# Altium PCB ascii of BOC1_06.PcbDoc (part 1 of 4)
Units mil, origin at the board's own origin, x right, y up, seen from the top; angles counter-clockwise.
Board outline 7900 x 6500 mil, 2 copper layers (Top Layer, Bottom Layer); 312 components, 413 nets, 1710 pads, 368 vias.
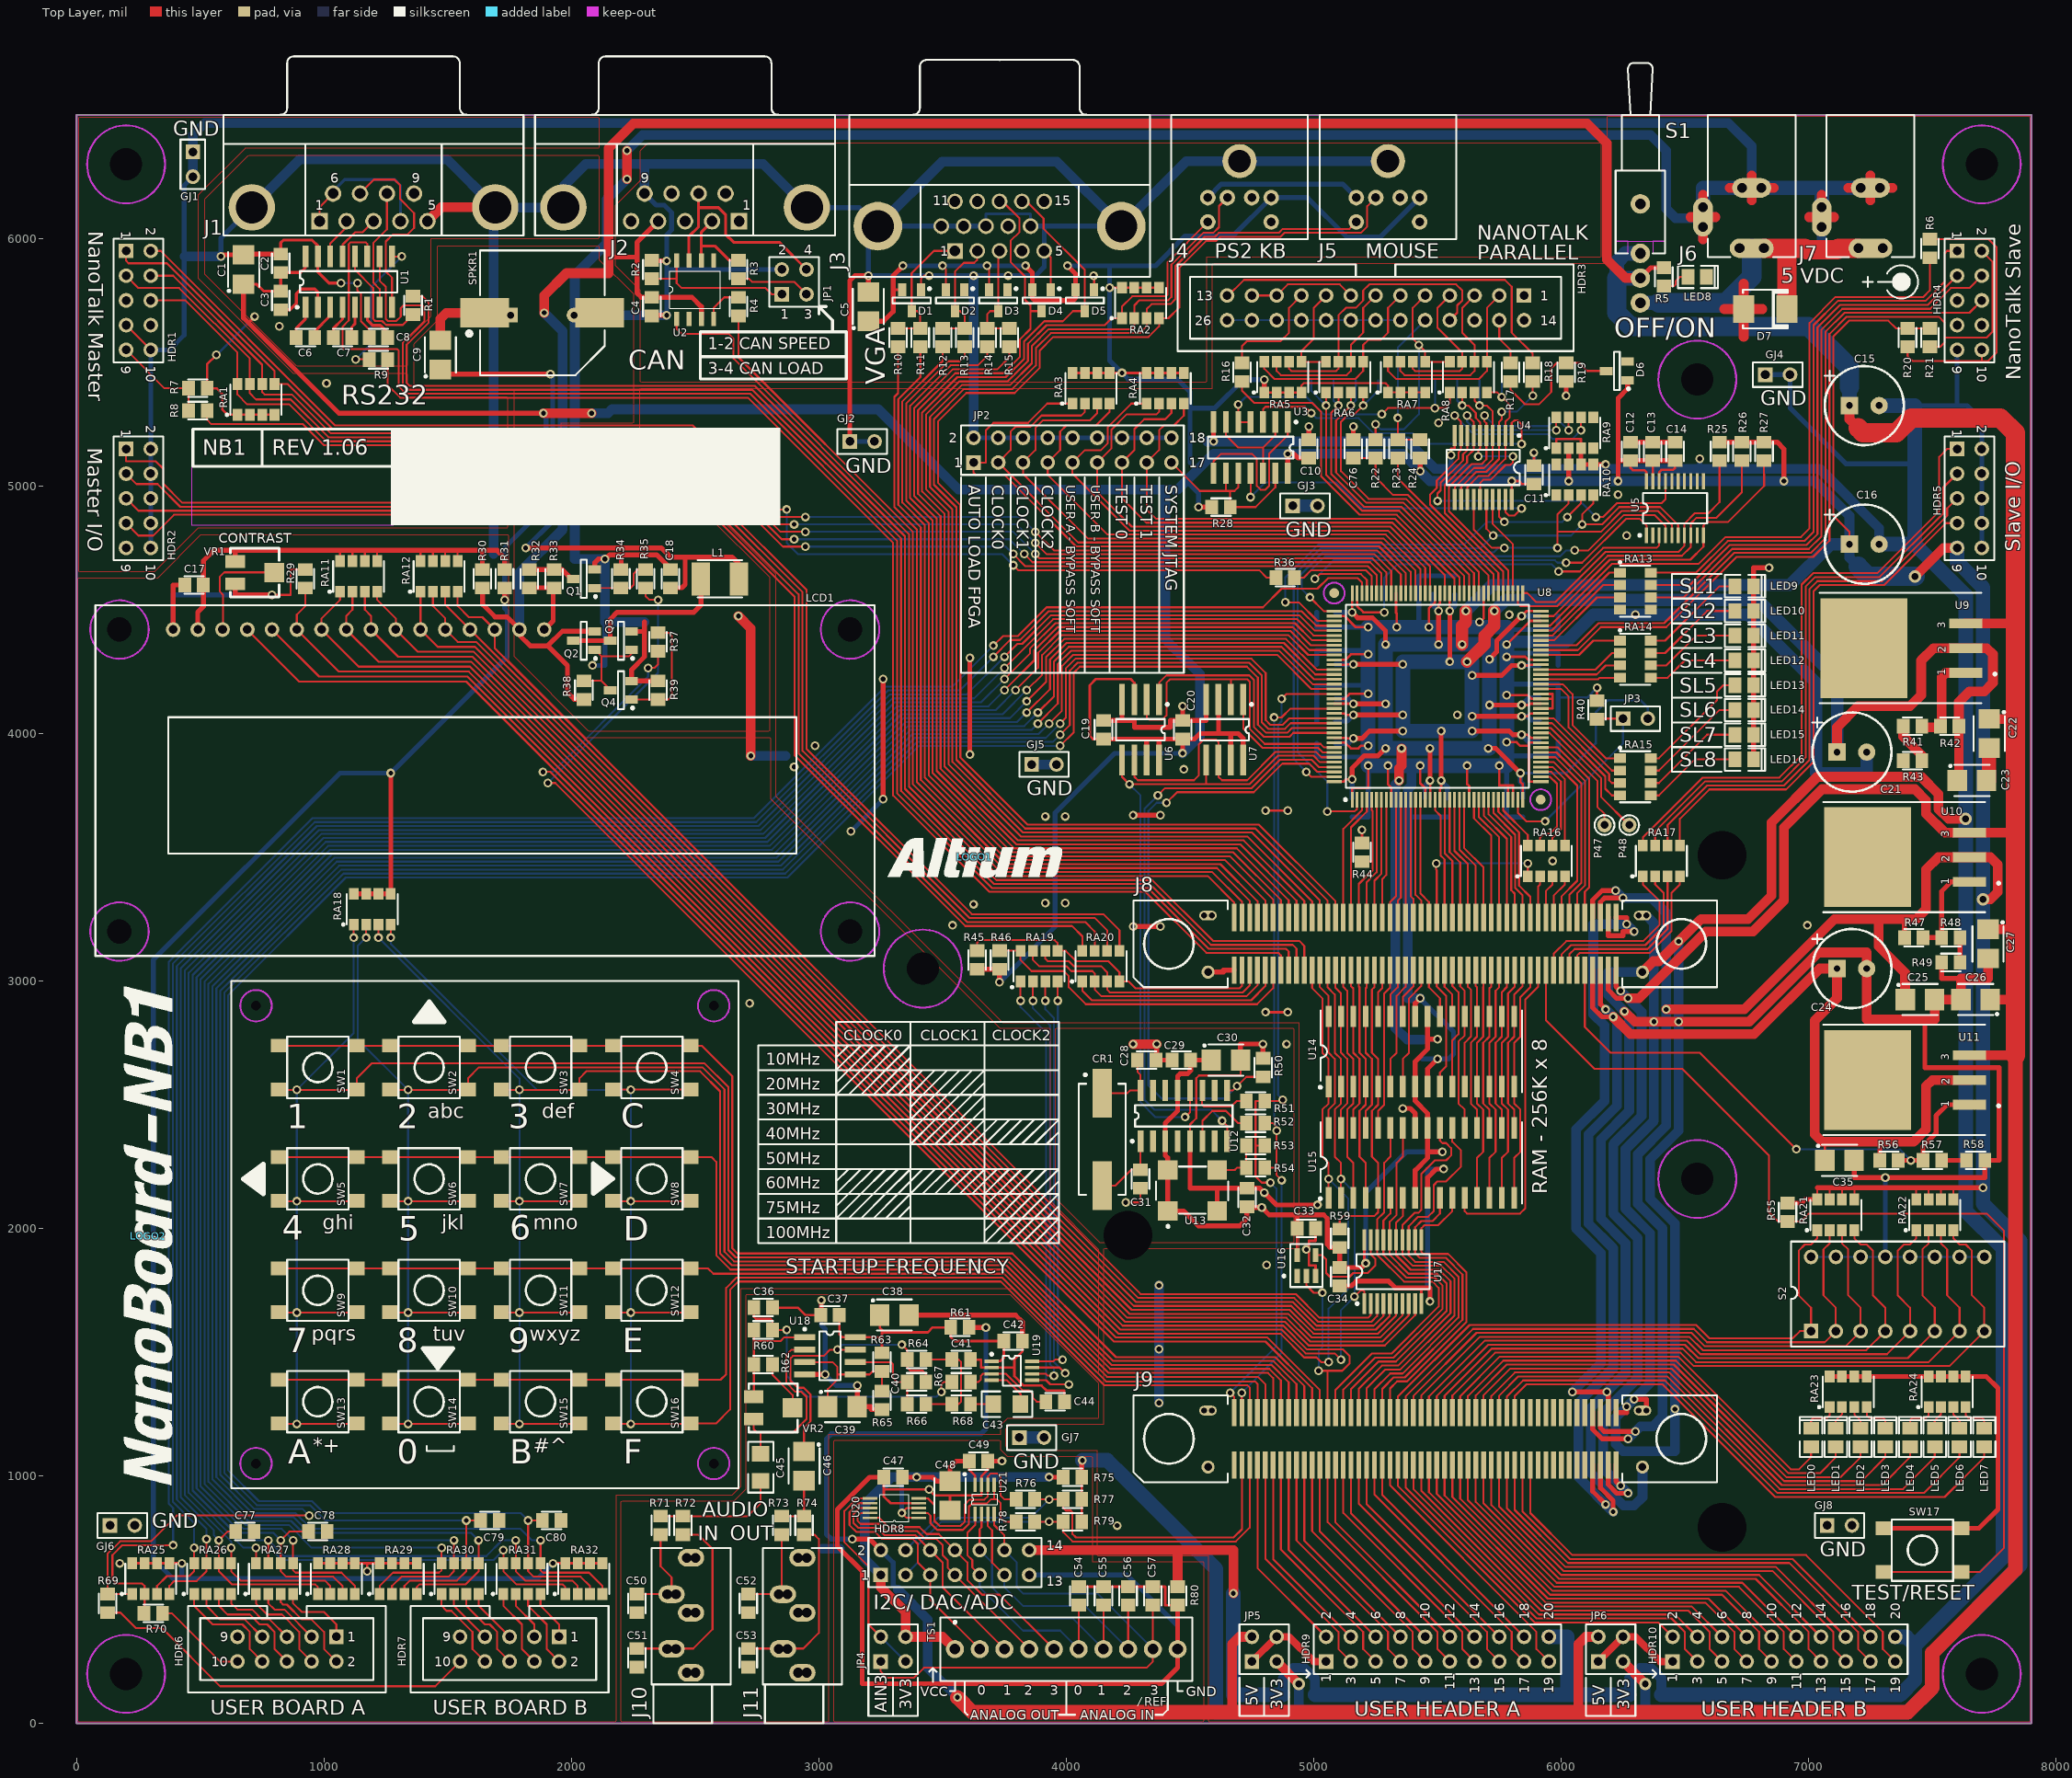
[diagram p0: Top Layer view]
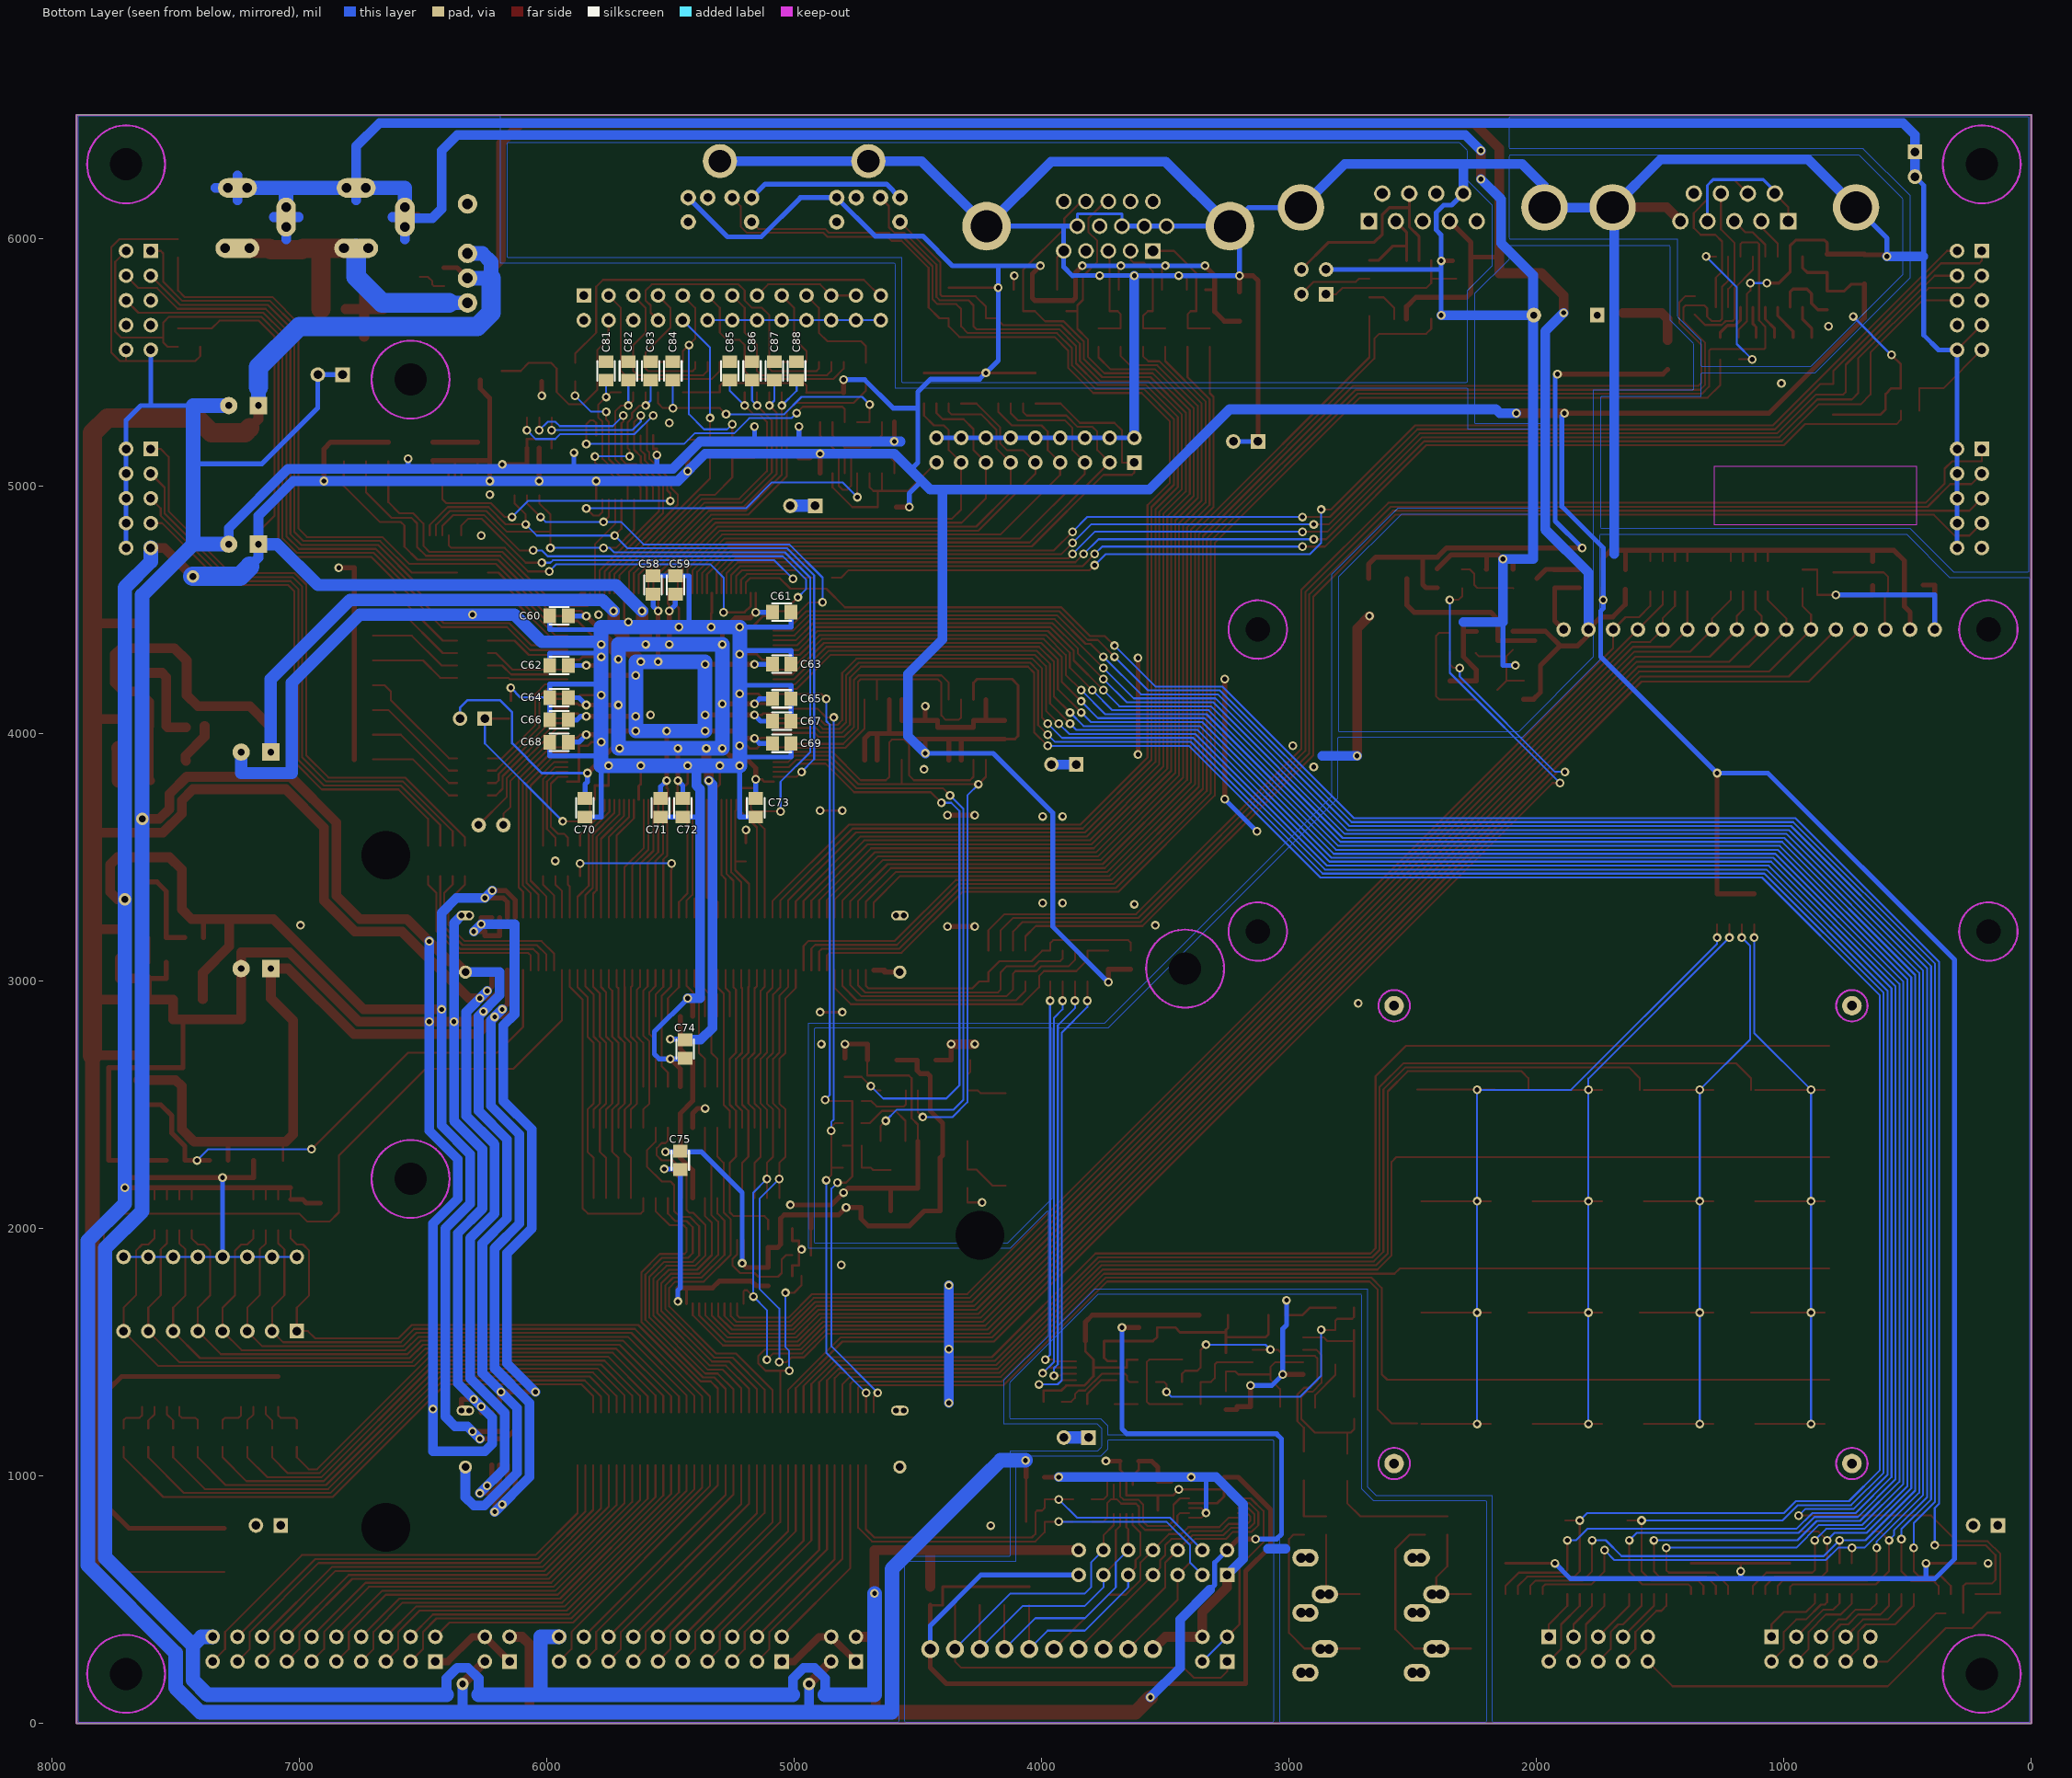
[diagram p1: Bottom Layer view, seen from below]

## Layer stack, top to bottom
Top Solder: solder mask 0.4, Solder Resist, Dk 3.5
Top Layer: signal copper 1.4
Dielectric1: core 12.6, FR-4, Dk 4.8
Bottom Layer: signal copper 1.4
Bottom Solder: solder mask 0.4, Solder Resist, Dk 3.5

## Board outline
0,0 7900,0 7900,6500 0,6500

## Design rules (kind name [scope] priority, off if disabled: settings)
AssemblyTestPointUsage [All] p0: scope1count=1 scope1_0_kind=Board scope1_0_value=Board scope2count=1 scope2_0_kind=Board scope2_0_value=Board commentlength=0
AssemblyTestpoint [All] p0: scope1count=1 scope1_0_kind=Board scope1_0_value=Board scope2count=1 scope2_0_kind=Board scope2_0_value=Board commentlength=0
Clearance [All] p0: scope1count=1 scope1_0_kind=Board scope1_0_value=Board scope2count=1 scope2_0_kind=Board scope2_0_value=Board commentlength=0 gap=7.87
Clearance [All] p1: gap=7.87 ignorepadtopadclearanceinfootprint=FALSE except(0: Arc-Hole Track-Hole SMDPad-Hole THPad-Hole Via-Hole Fill-Hole Poly-Hole Region-Hole Text-Hole)
ComponentClearance ComponentClearance_General [All] p0 off: scope1count=1 scope1_0_kind=Board scope1_0_value=Board scope2count=1 scope2_0_kind=Board scope2_0_value=Board commentlength=73 gap=7.87 collisioncheckmode=3 // Protel DXP Scope 2 Expression Was: Not InComponentClass('Under_LCD1')
ComponentClearance ComponentClearance_Default [All] p0 off: scope1count=1 scope1_0_kind=Board scope1_0_value=Board scope2count=1 scope2_0_kind=Board scope2_0_value=Board commentlength=0 gap=7.87 collisioncheckmode=3
ComponentClearance LEDComponentClearance [All] p0: scope1count=1 scope1_0_kind=Footprint scope1_0_value="SMD _LED" scope2count=1 scope2_0_kind=Footprint scope2_0_value="SMD _LED" commentlength=0 gap=1.18 collisioncheckmode=3
ComponentClearance LEDComponentClearance [HasFootprint('SMD _LED') vs HasFootprint('SMD _LED')] p1: gap=1.18 collisioncheckmode=3 verticalgap=10 showdistances=FALSE
ComponentClearance ComponentClearance_General [Not InComponent('LCD1') vs Not InComponentClass('Under_LCD1')] p2: gap=7.87 collisioncheckmode=3 verticalgap=10 showdistances=FALSE
ComponentClearance ComponentClearance_Default [All] p3 off: gap=7.87 collisioncheckmode=3 verticalgap=10 showdistances=FALSE
DiffPairsRouting [All] p0: scope1count=1 scope1_0_kind=Board scope1_0_value=Board scope2count=1 scope2_0_kind=Board scope2_0_value=Board commentlength=0
FabricationTestPointUsage TestPointUsage [All] p0 off: scope1count=1 scope1_0_kind=Board scope1_0_value=Board scope2count=1 scope2_0_kind=Board scope2_0_value=Board commentlength=0 valid=0 allowmultiple=FALSE
FabricationTestPointUsage TestPointUsage [All] p1 off: valid=0 allowmultiple=FALSE
FabricationTestpoint Testpoint [All] p0 off: scope1count=1 scope1_0_kind=Board scope1_0_value=Board scope2count=1 scope2_0_kind=Board scope2_0_value=Board commentlength=0 side=3 testpointundercomponent=TRUE minsize=40 maxsize=100 preferedsize=60 minholesize=0 maxholesize=40 preferedholesize=32 testpointgrid=1
FabricationTestpoint Testpoint [All] p1 off: side=3 testpointundercomponent=TRUE minsize=40 maxsize=100 preferedsize=60 minholesize=0 maxholesize=40 preferedholesize=32 testpointgrid=1 allowsidetop=TRUE allowsidebottom=TRUE usegrid=TRUE gridtolerance=0.01
FanoutControl Fanout_BGA [All] p0 off: scope1count=1 scope1_0_kind=Board scope1_0_value=Board scope2count=1 scope2_0_kind=Board scope2_0_value=Board commentlength=69 // Protel DXP Scope 1 Expression Was: IsBGA   Fanout_BGA (Default Rule)
FanoutControl Fanout_LCC [All] p0 off: scope1count=1 scope1_0_kind=Board scope1_0_value=Board scope2count=1 scope2_0_kind=Board scope2_0_value=Board commentlength=69 // Protel DXP Scope 1 Expression Was: IsLCC   Fanout_LCC (Default Rule)
FanoutControl Fanout_SOIC [All] p0 off: scope1count=1 scope1_0_kind=Board scope1_0_value=Board scope2count=1 scope2_0_kind=Board scope2_0_value=Board commentlength=71 // Protel DXP Scope 1 Expression Was: IsSOIC   Fanout_SOIC (Default Rule)
FanoutControl Fanout_Small [All] p0 off: scope1count=1 scope1_0_kind=Board scope1_0_value=Board scope2count=1 scope2_0_kind=Board scope2_0_value=Board commentlength=84 // Protel DXP Scope 1 Expression Was: (CompPinCount < 5)   Fanout_Small (Default Rule)
FanoutControl Fanout_Default [All] p0: scope1count=1 scope1_0_kind=Board scope1_0_value=Board scope2count=1 scope2_0_kind=Board scope2_0_value=Board commentlength=30 // Fanout_Default (Default Rule)
FanoutControl Fanout_Default [All] p1: bgadir=Out bgaviamode=Centered fanoutstyle=Auto fanoutdirection=Alternating viagrid=1 // Fanout_Default (Default Rule)
FanoutControl Fanout_Small [(CompPinCount < 5)] p2: bgadir=Out bgaviamode=Centered fanoutstyle=Auto fanoutdirection=OutThenIn viagrid=1 // Fanout_Small (Default Rule)
FanoutControl Fanout_LCC [IsLCC] p4: bgadir=Out bgaviamode=Centered fanoutstyle=Auto fanoutdirection=Alternating viagrid=1 // Fanout_LCC (Default Rule)
FanoutControl Fanout_BGA [IsBGA] p5: bgadir=Out bgaviamode=Centered fanoutstyle=Auto fanoutdirection=Alternating viagrid=1 // Fanout_BGA (Default Rule)
Height MaxMinHeight [All] p0: scope1count=1 scope1_0_kind=Board scope1_0_value=Board scope2count=1 scope2_0_kind=Board scope2_0_value=Board commentlength=0
Height MaxMinHeight [All] p1: minheight=0 maxheight=1000 prefheight=500
HoleSize HoleSize_1 [All] p0: scope1count=1 scope1_0_kind=PadClass scope1_0_value=Connector_Slot_Pads scope2count=1 scope2_0_kind=Board scope2_0_value=Board commentlength=0 absolutevalues=TRUE maxlimit=1 minlimit=0 maxpercent=80.000 minpercent=20.000
HoleSize [All] p0: scope1count=1 scope1_0_kind=Board scope1_0_value=Board scope2count=1 scope2_0_kind=Board scope2_0_value=Board commentlength=0 absolutevalues=TRUE maxlimit=200.79 minlimit=1 maxpercent=80.000 minpercent=20.000
HoleSize HoleSize_1 [inpadclass('Connector_Slot_Pads')] p1: absolutevalues=TRUE maxlimit=1 minlimit=0 maxpercent=80.000 minpercent=20.000
HoleSize [All] p2: absolutevalues=TRUE maxlimit=200.79 minlimit=1 maxpercent=80.000 minpercent=20.000
HoleToHoleClearance [All] p0: scope1count=1 scope1_0_kind=Board scope1_0_value=Board scope2count=1 scope2_0_kind=Board scope2_0_value=Board commentlength=0
LayerPairs [All] p0: scope1count=1 scope1_0_kind=Board scope1_0_value=Board scope2count=1 scope2_0_kind=Board scope2_0_value=Board commentlength=0 enforce=TRUE
MinimumSolderMaskSliver [All] p0: scope1count=1 scope1_0_kind=Board scope1_0_value=Board scope2count=1 scope2_0_kind=Board scope2_0_value=Board commentlength=0
NetAntennae [All] p0: scope1count=1 scope1_0_kind=Board scope1_0_value=Board scope2count=1 scope2_0_kind=Board scope2_0_value=Board commentlength=0
PasteMaskExpansion [All] p0: scope1count=1 scope1_0_kind=Board scope1_0_value=Board scope2count=1 scope2_0_kind=Board scope2_0_value=Board commentlength=0 expansion=0
PlaneClearance [All] p0: scope1count=1 scope1_0_kind=Board scope1_0_value=Board scope2count=1 scope2_0_kind=Board scope2_0_value=Board commentlength=0 clearance=19.68
PlaneClearance [All] p1: clearance=19.68
PlaneConnect [All] p0: scope1count=1 scope1_0_kind=Board scope1_0_value=Board scope2count=1 scope2_0_kind=Board scope2_0_value=Board commentlength=0 planeconnectstyle=Relief reliefexpansion=19.68 reliefentries=4 reliefconductorwidth=9.84 reliefairgap=9.84
PlaneConnect [All] p1: planeconnectstyle=Relief reliefexpansion=19.68 reliefentries=4 reliefconductorwidth=9.84 reliefairgap=9.84
PolygonConnect [All] p0: scope1count=1 scope1_0_kind=Board scope1_0_value=Board scope2count=1 scope2_0_kind=Board scope2_0_value=Board commentlength=0 connectstyle=Relief reliefconductorwidth=9.84 reliefentries=4 polygonreliefangle="90 Angle"
PolygonConnect [All] p1: connectstyle=Relief reliefconductorwidth=9.84 reliefentries=4 polygonreliefangle="90 Angle" airgapwidth=10
RoomDefinition BOC_Audio [All] p0 off: scope1count=1 scope1_0_kind=ComponentClass scope1_0_value=BOC_Audio scope2count=1 scope2_0_kind=Board scope2_0_value=Board commentlength=0 region_x1=74000000 region_y1=76000000 region_x2=76000000 region_y2=77000000 confinementstyle=ConfineIn
RoomDefinition BOC_Spartan [All] p0 off: scope1count=1 scope1_0_kind=ComponentClass scope1_0_value=BOC_Spartan scope2count=1 scope2_0_kind=Board scope2_0_value=Board commentlength=0 region_x1=66000000 region_y1=76000000 region_x2=68000000 region_y2=77000000 confinementstyle=ConfineIn
RoomDefinition BOC_Boot [All] p0 off: scope1count=1 scope1_0_kind=ComponentClass scope1_0_value=BOC_Boot scope2count=1 scope2_0_kind=Board scope2_0_value=Board commentlength=0 region_x1=70000000 region_y1=76000000 region_x2=72000000 region_y2=77000000 confinementstyle=ConfineIn
RoomDefinition BOC_CLK_ADJ [All] p0 off: scope1count=1 scope1_0_kind=ComponentClass scope1_0_value=BOC_CLK_ADJ scope2count=1 scope2_0_kind=Board scope2_0_value=Board commentlength=0 region_x1=42020000 region_y1=31490000 region_x2=53330000 region_y2=42880000 confinementstyle=ConfineIn
RoomDefinition BOC_RS232 [All] p0 off: scope1count=1 scope1_0_kind=ComponentClass scope1_0_value=BOC_RS232 scope2count=1 scope2_0_kind=Board scope2_0_value=Board commentlength=0 region_x1=14818899 region_y1=64626568 region_x2=27181099 region_y2=77480315 confinementstyle=ConfineIn
RoomDefinition BOC_VGA_KB_MOUSE [All] p0 off: scope1count=1 scope1_0_kind=ComponentClass scope1_0_value=BOC_VGA_KB_MOUSE scope2count=1 scope2_0_kind=Board scope2_0_value=Board commentlength=0 region_x1=36390000 region_y1=65190000 region_x2=64630000 region_y2=77340000 confinementstyle=ConfineIn
RoomDefinition BOC_CAN [All] p0 off: scope1count=1 scope1_0_kind=ComponentClass scope1_0_value=BOC_CAN scope2count=1 scope2_0_kind=Board scope2_0_value=Board commentlength=0 region_x1=27433068 region_y1=66335984 region_x2=39795268 region_y2=77411428 confinementstyle=ConfineIn
RoomDefinition BOC_DAUGHTER [All] p0 off: scope1count=1 scope1_0_kind=ComponentClass scope1_0_value=BOC_DAUGHTER scope2count=1 scope2_0_kind=Board scope2_0_value=Board commentlength=0 region_x1=50590552 region_y1=22715907 region_x2=65255905 region_y2=45866771 confinementstyle=ConfineIn
RoomDefinition BOC_SRAM [All] p0 off: scope1count=1 scope1_0_kind=ComponentClass scope1_0_value=BOC_SRAM scope2count=1 scope2_0_kind=Board scope2_0_value=Board commentlength=0 region_x1=52926569 region_y1=31551325 region_x2=61887800 region_y2=41840310 confinementstyle=ConfineIn
RoomDefinition BOC_LCD [All] p0 off: scope1count=1 scope1_0_kind=ComponentClass scope1_0_value=BOC_LCD scope2count=1 scope2_0_kind=Board scope2_0_value=Board commentlength=0 region_x1=10473780 region_y1=26092285 region_x2=58054180 region_y2=64637790 confinementstyle=ConfineIn
RoomDefinition BOC_ADC_DAC [All] p0 off: scope1count=1 scope1_0_kind=ComponentClass scope1_0_value=BOC_ADC_DAC scope2count=1 scope2_0_kind=Board scope2_0_value=Board commentlength=0 region_x1=36117485 region_y1=16813010 region_x2=48274410 region_y2=23248685 confinementstyle=ConfineIn
RoomDefinition BOC_IO [All] p0 off: scope1count=1 scope1_0_kind=ComponentClass scope1_0_value=BOC_IO scope2count=1 scope2_0_kind=Board scope2_0_value=Board commentlength=0 region_x1=47381890 region_y1=16381870 region_x2=75591804 region_y2=18618110 confinementstyle=ConfineIn
RoomDefinition BOC_PWR [All] p0 off: scope1count=1 scope1_0_kind=ComponentClass scope1_0_value=BOC_PWR scope2count=1 scope2_0_kind=Board scope2_0_value=Board commentlength=0 region_x1=13581890 region_y1=23690906 region_x2=78007874 region_y2=70118110 confinementstyle=ConfineIn
RoomDefinition BOC_LED_DIPSWITCH [All] p0 off: scope1count=1 scope1_0_kind=ComponentClass scope1_0_value=BOC_LED_DIPSWITCH scope2count=1 scope2_0_kind=Board scope2_0_value=Board commentlength=0 region_x1=79330000 region_y1=26210000 region_x2=88030000 region_y2=37030000 confinementstyle=ConfineIn
RoomDefinition BOC_KB [All] p0 off: scope1count=1 scope1_0_kind=ComponentClass scope1_0_value=BOC_KB scope2count=1 scope2_0_kind=Board scope2_0_value=Board commentlength=0 region_x1=15987560 region_y1=18641733 region_x2=75412440 region_y2=40874960 confinementstyle=ConfineIn
RoomDefinition BOC_Audio [InComponentClass('BOC_Audio')] p1 off: confinementstyle=ConfineIn formatcopy=TRUE lockcomponents=FALSE outline 6400,6600 6600,6600 6600,6700 6400,6700
RoomDefinition BOC_Spartan [InComponentClass('BOC_Spartan')] p2 off: confinementstyle=ConfineIn formatcopy=TRUE lockcomponents=FALSE outline 5600,6600 5800,6600 5800,6700 5600,6700
RoomDefinition BOC_Boot [InComponentClass('BOC_Boot')] p3 off: confinementstyle=ConfineIn formatcopy=TRUE lockcomponents=FALSE outline 6000,6600 6200,6600 6200,6700 6000,6700
RoomDefinition BOC_KB [InComponentClass('BOC_KB')] p4 off: confinementstyle=ConfineIn formatcopy=TRUE lockcomponents=FALSE outline 598.76,864.17 598.76,2486.22 890.13,2486.22 890.13,3087.5 1134.81,3087.5 1134.81,2684.87 6027.34,2684.87 6027.34,1365.83 6541.24,1365.83 6541.24,1093.78 2350.85,1093.78 2350.85,864.17
RoomDefinition BOC_LED_DIPSWITCH [InComponentClass('BOC_LED_DIPSWITCH')] p5 off: confinementstyle=ConfineIn formatcopy=TRUE lockcomponents=FALSE outline 6933,1621 7803,1621 7803,2703 6933,2703
RoomDefinition BOC_PWR [InComponentClass('BOC_PWR')] p6 off: confinementstyle=ConfineIn formatcopy=TRUE lockcomponents=FALSE outline 358.19,5688.19 358.19,5911.81 5462.54,5911.81 5462.54,6011.81 6438.98,6011.81 6438.98,4284.65 6785.83,4284.65 6785.83,3810.3 6800.79,3810.3 6800.79,3589.7 6785.83,3589.7 6785.83,2916.14 6749.86,2916.14 6749.86,2777.86 6235.3,2777.86 6235.3,2750.2 6108.02,2750.2 6108.02,1369.09 5884.4,1369.09 5884.4,1393.7 3465.33,1393.7 3465.33,3137.93 3464.07,3137.93 3464.07,4568.19 3078.19,4568.19 3078.19,5688.19
RoomDefinition BOC_CLK_ADJ [InComponentClass('BOC_CLK_ADJ')] p7 off: confinementstyle=ConfineIn formatcopy=TRUE lockcomponents=FALSE outline 3202,2149 4333,2149 4333,3288 3202,3288
RoomDefinition BOC_IO [InComponentClass('BOC_IO')] p8 off: confinementstyle=ConfineIn formatcopy=TRUE lockcomponents=FALSE outline 3738.19,638.19 3738.19,861.81 5361.81,861.81 6559.18,861.81 6559.18,638.19 3738.19,638.19
RoomDefinition BOC_ADC_DAC [InComponentClass('BOC_ADC_DAC')] p9 off: confinementstyle=ConfineIn formatcopy=TRUE lockcomponents=FALSE outline 2611.75,974.41 2611.75,1104.33 2675.14,1104.33 2675.14,1197.14 2827.86,1197.14 2827.86,1324.87 3022.34,1324.87 3022.34,1272.34 3199.86,1272.34 3199.86,1124.87 3827.44,1124.87 3827.44,975.14 3722.15,975.14 3722.15,975.13 3720.87,975.13 3720.87,681.3 2633.86,681.3 2633.86,974.41
RoomDefinition BOC_LCD [InComponentClass('BOC_LCD')] p10 off: confinementstyle=ConfineIn formatcopy=TRUE lockcomponents=FALSE outline 47.38,2772.38 47.38,4244.94 400.14,4244.94 400.14,4347.15 588.76,4347.15 588.76,4461.57 1294.21,4461.57 1294.21,5140.3 1439.7,5140.3 1439.7,5463.78 2124.87,5463.78 2124.87,4567.15 4534.87,4567.15 4534.87,2278.52 4805.42,2278.52 4805.42,1912.25 4706.61,1912.25 4706.61,1609.23 4529.45,1609.23 4529.45,1912.25 4483.57,1912.25 4483.57,2000.14 4352.85,2000.14 4352.85,2772.38
RoomDefinition BOC_SRAM [InComponentClass('BOC_SRAM')] p11 off: confinementstyle=ConfineIn formatcopy=TRUE lockcomponents=FALSE outline 4292.66,2155.13 4292.66,2304.86 4344.79,2304.86 4344.79,3184.03 5188.78,3184.03 5188.78,2340.2 4387.15,2340.2 4387.15,2155.13
RoomDefinition BOC_DAUGHTER [InComponentClass('BOC_DAUGHTER')] p12 off: confinementstyle=ConfineIn formatcopy=TRUE lockcomponents=FALSE outline 4059.06,1271.59 4059.06,3586.68 5525.59,3586.68 5525.59,1271.59
RoomDefinition BOC_RS232 [InComponentClass('BOC_RS232')] p13 off: confinementstyle=ConfineIn formatcopy=TRUE lockcomponents=FALSE outline 481.89,5923.03 481.89,6748.03 1718.11,6748.03 1718.11,5923.03 1307.15,5923.03 1307.15,5655.13 1199.87,5655.13 1199.87,5552.85 1194.87,5552.85 1194.87,5462.66 1045.13,5462.66 1045.13,5552.86 750.13,5552.86 750.13,5675.13 677.86,5675.13 677.86,5764.7 499.21,5764.7 499.21,5923.03
RoomDefinition BOC_CAN [InComponentClass('BOC_CAN')] p14 off: confinementstyle=ConfineIn formatcopy=TRUE lockcomponents=FALSE outline 1743.31,5921.22 1743.31,6741.14 2979.53,6741.14 2979.53,5921.22 2911.81,5921.22 2911.81,5659.13 2622.34,5659.13 2622.34,5650.14 2512.01,5650.14 2512.01,5633.6 2287.6,5633.6 2287.6,5650.14 2177.86,5650.14 2177.86,5800.13 2177.66,5800.13 2177.66,5921.22
RoomDefinition BOC_VGA_KB_MOUSE [InComponentClass('BOC_VGA_KB_MOUSE')] p15 off: confinementstyle=ConfineIn formatcopy=TRUE lockcomponents=FALSE outline 2639,5519 5463,5519 5463,6734 2639,6734